# Altium PCB QCopterCAM__Pcb.PcbDoc (part 1 of 2)
Units mil, origin at the board's own origin, x right, y up, seen from the top; angles counter-clockwise.
Board outline 2750 x 1310 mil, 2 copper layers (Top Layer, Bottom Layer); 64 components, 104 nets, 338 pads, 113 vias.
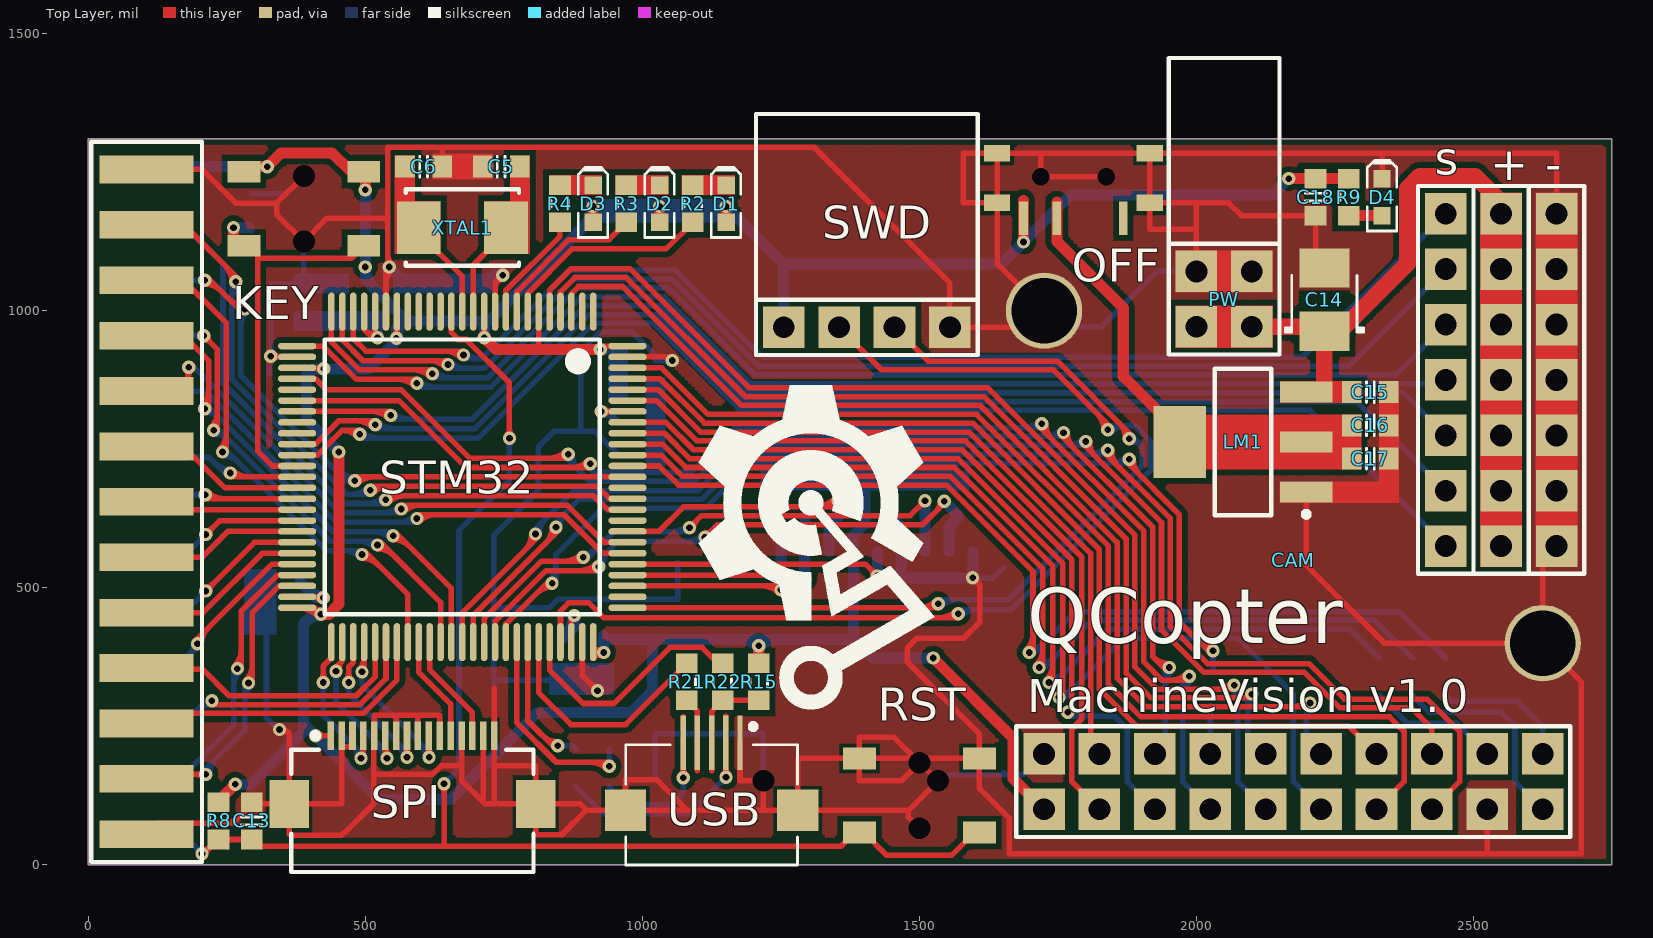
[diagram p0: Top Layer view]
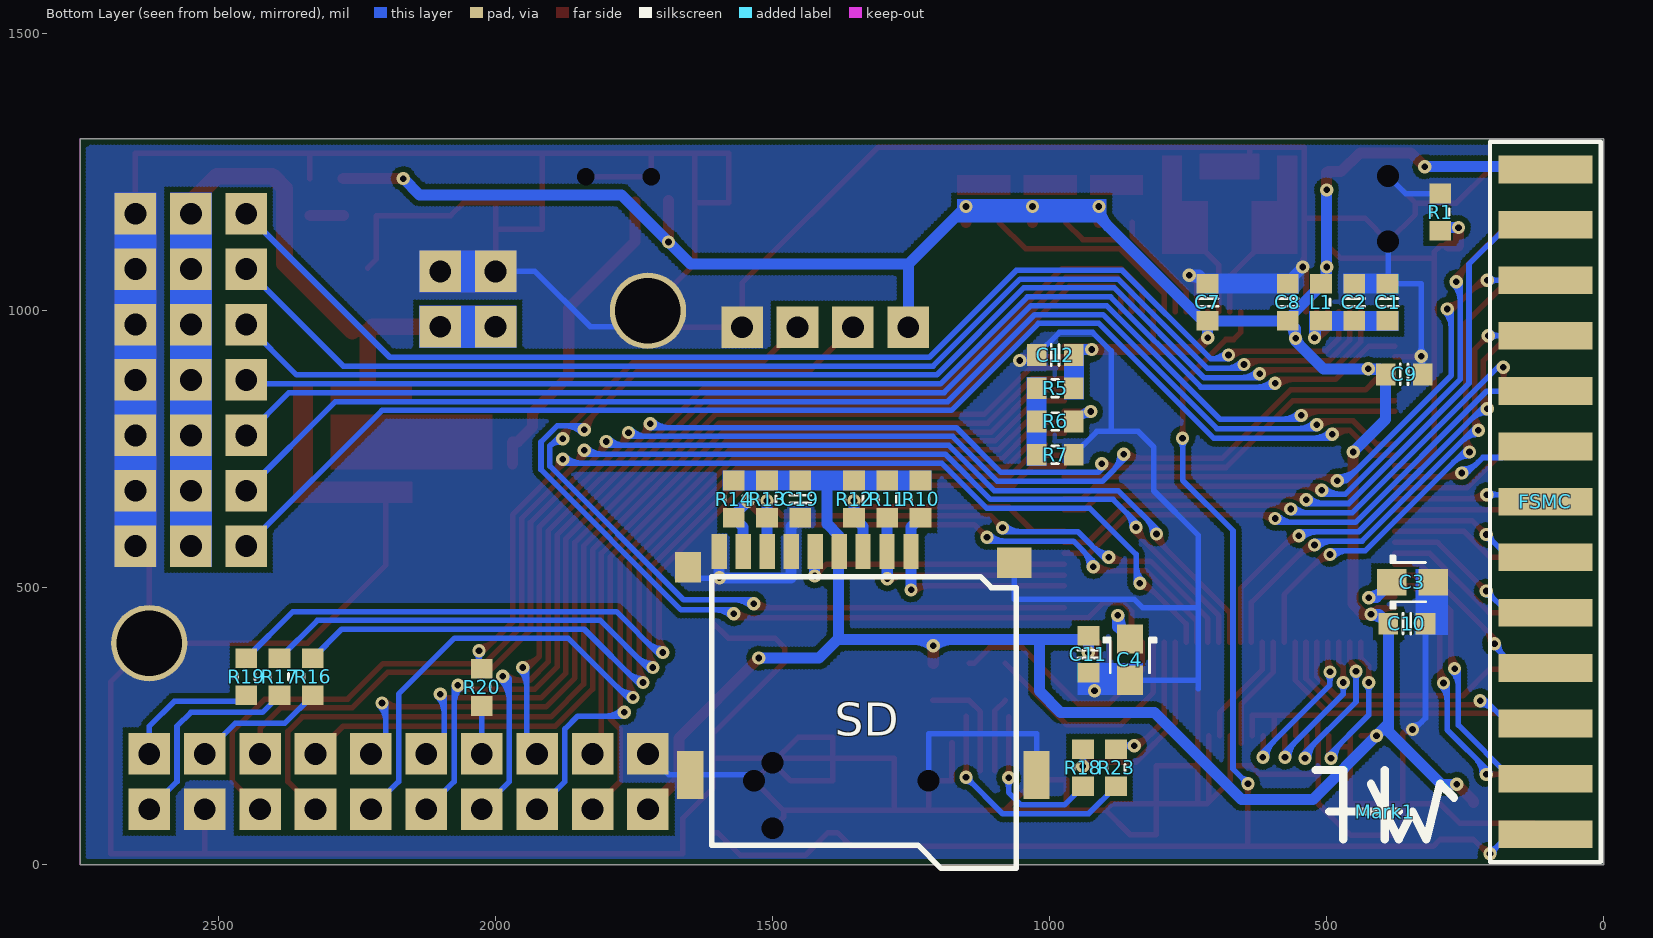
[diagram p1: Bottom Layer view, seen from below]

## Layer stack, top to bottom
Top Layer: signal copper 1.4
Dielectric: dielectric 12.6, FR-4, Dk 4.8
Bottom Layer: signal copper 1.4

## Board outline
0,1310 2750,1310 2750,0 0,0

## Design rules (kind name [scope] priority, off if disabled: settings)
Clearance Polygon [InPolygon] p1: gap=10
Clearance [All] p2: gap=6
ComponentClearance [All] p1: gap=0 collisioncheckmode=3 verticalgap=0 showdistances=FALSE
DiffPairsRouting DiffPair_DiffPairsRouting [InDifferentialPair ('USB')] p1: maxlimit=10 minlimit=10 mostfreqgap=10 maxuncoupledlength=500
DiffPairsRouting [All] p2: maxlimit=10 minlimit=10 mostfreqgap=10 maxuncoupledlength=500
HoleSize [All] p1: absolutevalues=TRUE maxlimit=150 minlimit=1 maxpercent=80.000 minpercent=20.000
HoleToHoleClearance [All] p1: gap=0 allowstackedmicrovias=TRUE
MatchedLengths DiffPair_MatchedLengths [InDifferentialPair ('USB')] p1: tolerance=1000 checknetsindiffpair=TRUE checkdiffpairvsdiffpair=TRUE checkothers=TRUE
MinimumSolderMaskSliver [All] p1: minsoldermaskwidth=0
PlaneConnect [All] p1: planeconnectstyle=Direct reliefexpansion=20 reliefentries=4 reliefconductorwidth=10 reliefairgap=10
PolygonConnect [All] p1: connectstyle=Direct reliefconductorwidth=10 reliefentries=4 polygonreliefangle="90 Angle" airgapwidth=10
RoutingVias [All] p1: holewidth=12 width=24 viastyle="Through Hole" minholewidth=12 minwidth=20 maxholewidth=28 maxwidth=50
SilkToSilkClearance [All] p1: silktosilkclearance=2
SilkToSolderMaskClearance SilkscreenOverComponentPads [IsPad] p1: minsilkscreentomaskgap=2 clearancetoexposedcopper=TRUE
SolderMaskExpansion [All] p1: expansion=0
Width DiffPair_Width [InDifferentialPair('USB')] p1: maxlimit=10 minlimit=10 preferedwidth=10
Width [All] p2: maxlimit=30 minlimit=6 preferedwidth=10
20 further rules are at their usual default settings.

## Classes and differential pairs
component class KEY: KEY R1
component class LCD: FSMC
component class LED: D1 D2 D3 JP3 JP4 JP5 JP6 LED_1 LED_2 LED_B LED_G LED_R LED_W R2 R3 R4
component class POWER: C14 C15 C16 C17 C18 D4 LED LM1 OFF "Power 5V" PW R9
component class PWM: + - PWM_G PWM_S PWM_V S s
component class QCopterCAM_MAIN_Sch: Mark1
component class SD: C19 R10 R11 R12 R13 R14 SD
component class STM32F407VE: C1 C2 C3 C4 C5 C6 C7 C8 C9 C10 C11 C12 C13 L1 R5 R6 R7 R8 RST STM32 XTAL1
component class SWD: SWD
component class USB: R15 R18 R21 R22 R23 USB
component class CAMERA: CAM R16 R17 R19 R20 SPI

## Components (designator, comment, footprint, x,y, rotation, side; value= is the part's Value field where it differs from the comment)
+ "HDR1X7_180_2.54" HDR1X7_180_2.54 2550,1175 r270 top
- "HDR1X7_180_2.54" HDR1X7_180_2.54 2650,1175 r270 top
C1 "Cap_0603" CAP_0603 390,1015 r90 bottom locked
C2 "Cap_0603" CAP_0603 450,1015 r90 bottom locked
C3 "Cap_Tan_0805" CAP_TAN_P0805 345,510 r180 bottom locked
C4 "Cap_Tan_0805" CAP_TAN_P0805 855,370 r270 bottom locked
C5 "Cap_0603" CAP_0603 745,1260 r0 top
C6 "Cap_0603" CAP_0603 605,1260 r180 top
C7 "Cap_0603" CAP_0603 715,1015 r270 bottom locked
C8 "Cap_0603" CAP_0603 570,1015 r270 bottom locked
C9 "Cap_0603" CAP_0603 360,885 r0 bottom locked
C10 "Cap_0603" CAP_0603 355,435 r0 bottom locked
C11 "Cap_0603" CAP_0603 930,380 r90 bottom locked
C12 "Cap_0603" CAP_0603 990,920 r180 bottom locked
C13 "Cap_0603" CAP_0603 295,79 r90 top
C14 "Cap_Tan_1210" CAP_TAN_B1210 2231,1020 r90 top
C15 "Cap_0603" CAP_0603 2314,853 r180 top
C16 "Cap_0603" CAP_0603 2314,793 r180 top
C17 "Cap_0603" CAP_0603 2314,733 r180 top
C18 "Cap_0603" CAP_0603 2215,1205 r90 top
C19 "Cap_0603" CAP_0603 1450,660 r90 bottom
CAM "Camera" CAMERA 1725,100 r0 top locked
D1 "LED_0603_RED" LED_0603_RED 1151,1193 r90 top
D2 "LED_0603_GREEN" LED_0603_GREEN 1031,1193 r90 top
D3 "LED_0603_BLUE" LED_0603_BLUE 911,1193 r90 top
D4 "LED_0603_BLUE" LED_0603_BLUE 2335,1205 r90 top
FSMC "HDR2X13_180FTB_2.54" HDR2X13_180FTB_2.54 105,1255 r270 bottom locked
KEY "SW-PB_1" BT_90_T 389,1184 r270 top locked
L1 "Ind_0603" IND_0603 510,1015 r270 bottom locked
LM1 "LM1117" SOT223 2084,763 r180 top
Mark1 "Mark" HW_Mark 395,96.02 r180 bottom
OFF "SW-SPDT" SW_T 1778,1242 r180 top (schematic designator S3)
PW "HDR2X2_90_2.54" HDR2X2_90_2.54 2000,971 r0 top
R1 "Res_0603" RES_0603 295,1178 r270 bottom
R2 "Res_0603" RES_0603 1091,1193 r90 top
R3 "Res_0603" RES_0603 971,1193 r90 top
R4 "Res_0603" RES_0603 851,1193 r90 top
R5 "Res_0603" RES_0603 990,860 r180 bottom locked
R6 "Res_0603" RES_0603 990,800 r0 bottom
R7 "Res_0603" RES_0603 990,740 r180 bottom
R8 "Res_0603" RES_0603 235,79 r270 top
R9 "Res_0603" RES_0603 2275,1205 r90 top
R10 "Res_0603" RES_0603 1233,660 r270 bottom
R11 "Res_0603" RES_0603 1293,660 r270 bottom
R12 "Res_0603" RES_0603 1353,660 r270 bottom
R13 "Res_0603" RES_0603 1510,660 r270 bottom
R14 "Res_0603" RES_0603 1570,660 r270 bottom
R15 "Res_0603" RES_0603 1210,330 r90 top
R16 "Res_0603" RES_0603 2330,339.25 r90 bottom
R17 "Res_0603" RES_0603 2390,339.25 r270 bottom
R18 "Res_0603" RES_0603 940,175 r90 bottom
R19 "Res_0603" RES_0603 2450,339.25 r90 bottom
R20 "Res_0603" RES_0603 2025,320 r90 bottom
R21 "Res_0603" RES_0603 1080,330 r90 top
R22 "Res_0603" RES_0603 1145,330 r90 top
R23 "Res_0603" RES_0603 880,175 r90 bottom
RST "SW-PB_1" BT_90_T 1500,125 r90 top
s "HDR1X7_180_2.54" HDR1X7_180_2.54 2450,1175 r270 top
SD "SD_Card_TF" SD_Card_TF 1250,565 r270 bottom locked
SPI "FFC_0.5_16" FFC_0.5_16 585,169 r0 top locked (schematic designator FFC16)
STM32 "STM32F407V" STM32F_100 675,700 r270 top locked (schematic designator STM1)
SWD "HDR1X4_90F_2.54" HDR1X4_90F_2.54 1255,970 r0 top
USB "USB_Micro" USB_MICRO_B 1125,220 r270 top locked
XTAL1 "XTAL_5032" XTAL_5032 675,1150 r0 top

## Footprints (in the part's own frame and the unit in brackets; to place one, negate y for a bottom-side part, rotate by r counter-clockwise, add the part's x,y. Pads: shape width x height; smd on the part's side, far side on the other; paste and mask are expansions set on the pad)
BT_90_T [mm]
  round 0.254 hole 1: 0(-1.5,0) 0(1.5,0)
  rect 1x1.5 smd: 1(-1.7,2.75) 1(-1.7,-2.75) 2(1.7,2.75) 2(1.7,-2.75)
  body extent -3.3,-2.3 0.25,2.3, height 1.42
CAMERA [mm] "Connector; Header; 2x2 Position"
  round 3.5 hole 3: 0(0,22.86) 0(22.86,7.62)
  rect 1.905x1.905 hole 1: 1(0,0) 2(0,2.54) 3(2.54,0) 4(2.54,2.54) 5(5.08,0) 6(5.08,2.54) 7(7.62,0) 8(7.62,2.54) 9(10.16,0) 10(10.16,2.54) 11(12.7,0) 12(12.7,2.54) 13(15.24,0) 14(15.24,2.54) 15(17.78,0) 16(17.78,2.54) 17(20.32,0) 18(20.32,2.54) 19(22.86,0) 20(22.86,2.54)
  silkscreen extent -1.27,-1.27 24.13,3.81, body extent -1.39,-1.23 24.26,3.77, height 8.5
CAP_0603 [mm] "Chip Capacitor, Body 1.6x0.8mm, 0603, IPC Medium Density"
  rect 0.9x1 smd: 1(-0.85,0) 2(0.85,0)
  Top Layer pour cut-out: -0.4,0.6 0.4,0.6 0.4,-0.6 -0.4,-0.6
  silkscreen extent -0.18,-0.48 0.18,0.48, body extent -0.85,-0.45 0.85,0.45, height 0.89
CAP_TAN_B1210 [mm] "Molded body capacitor, Body 3.5x2.8mm, 1210, IPC Nominal settings"
  rect 1.8x2.3 smd: 1(-1.45,0) 2(1.45,0)
  Top Layer pour cut-out: -0.508,1.27 0.508,1.27 0.508,-1.27 -0.508,-1.27
  silkscreen extent -1.5,-1.8 1.1,1.8, body extent -1.75,-1.4 1.75,1.4, height 2.1
CAP_TAN_P0805 [mm] "Molded body capacitor, Body 2.0x1.2mm, 0805, IPC Medium Density"
  rect 1.35x1.2 smd: 1(-0.95,0) 2(0.95,0)
  Top Layer pour cut-out: -0.4,0.8 0.4,0.8 0.4,-0.8 -0.4,-0.8
  silkscreen extent -1,-1.2 0.6,1.2, body extent -1.02,-0.67 1.03,0.68, height 1.5
FFC_0.5_16 [mm] "Connector; FH12 Series; 16 Position; 0.5mm Spaced Bottom Contact"
  rect 1.8x2.2 smd: 0(-5.65,-1.498) 0(5.65,-1.498)
  rect 0.3x1.3 smd: 1(-3.75,1.625) 2(-3.25,1.625) 3(-2.75,1.625) 4(-2.25,1.625) 5(-1.75,1.625) 6(-1.25,1.625) 7(-0.75,1.625) 8(-0.25,1.625) 9(0.25,1.625) 10(0.75,1.625) 11(1.25,1.625) 12(1.75,1.625) 13(2.25,1.625) 14(2.75,1.625) 15(3.25,1.625) 16(3.75,1.625)
  silkscreen extent -5.55,-4.62 5.55,1.75, body extent -6.75,-3.93 6.75,1.41, height 2.08
HDR1X4_90F_2.54 [mm] "Connector; Header; 2 Position"
  rect 1.905x1.905 hole 1: 1(0,0) 2(2.54,0) 3(5.08,0) 4(7.62,0)
  silkscreen extent -1.27,-1.27 8.89,9.78, body extent -1.39,-0.16 9.02,9.9, height 2.52
HDR1X7_180_2.54 [mm] "Connector; Header; 6 Position"
  rect 1.905x1.905 hole 1: 1(0,0) 2(2.54,0) 3(5.08,0) 4(7.62,0) 5(10.16,0) 6(12.7,0) 7(15.24,0)
  silkscreen extent -1.27,-1.27 16.51,1.27, body extent -1.27,-1.27 16.51,1.27, height 7.58
HDR2X2_90_2.54 [mm] "Connector; Header; 2x2 Position"
  rect 1.905x1.905 hole 1: 1(0,0) 2(0,2.54) 3(2.54,0) 4(2.54,2.54)
  silkscreen extent -1.27,-1.27 3.81,12.32, body extent -1.27,-0.31 3.81,12.57, height 5.04
HDR2X13_180FTB_2.54 [mil] "Connector; Header; 2x2 Position"
  rect 50x170 smd: 1(0,0) 3(100,0) 5(200,0) 7(300,0) 9(400,0) 11(500,0) 13(600,0) 15(700,0) 17(800,0) 19(900,0) 21(1000,0) 23(1100,0) 25(1200,0)
  rect 50x170 smd far side: 2(0,0) 4(100,0) 6(200,0) 8(300,0) 10(400,0) 12(500,0) 14(600,0) 16(700,0) 18(800,0) 20(900,0) 22(1000,0) 24(1100,0) 26(1200,0)
  silkscreen extent -50,-100 1250,100, body extent -55,-45 1255,416, height 98
HW_Mark [mil]
  silkscreen extent -125,-50 125,75
IND_0603 [mm] "Chip bead, Body 1.6x0.8mm, 0603, IPC Medium Density"
  rect 0.9x1 smd: 1(-0.85,0) 2(0.85,0)
  Top Layer pour cut-out: -0.4,0.6 0.4,0.6 0.4,-0.6 -0.4,-0.6
  silkscreen extent -0.15,-0.41 0.15,0.41, body extent -0.8,-0.4 0.8,0.4, height 0.79
LED_0603_BLUE [mm] "Chip Capacitor, 2-Leads, Body 1.6x0.8mm, IPC Medium Density"
  rect 0.8x0.8 smd: 1(-0.85,0) 2(0.85,0)
  Top Layer pour cut-out: -0.5,0.5 0.5,0.5 0.5,-0.5 -0.5,-0.5
  silkscreen extent -1.55,-0.67 1.68,0.67, body extent -0.8,-0.4 0.8,0.4, height 0.75
LED_0603_GREEN [mm] "Chip Capacitor, 2-Leads, Body 1.6x0.8mm, IPC Medium Density"
  rect 0.8x0.8 smd: 1(-0.85,0) 2(0.85,0)
  Top Layer pour cut-out: -0.5,0.5 0.5,0.5 0.5,-0.5 -0.5,-0.5
  silkscreen extent -1.55,-0.67 1.68,0.67, body extent -0.8,-0.4 0.8,0.4, height 0.75
LED_0603_RED [mm] "Chip Capacitor, 2-Leads, Body 1.6x0.8mm, IPC Medium Density"
  rect 0.8x0.8 smd: 1(-0.85,0) 2(0.85,0)
  Top Layer pour cut-out: -0.5,0.5 0.5,0.5 0.5,-0.5 -0.5,-0.5
  silkscreen extent -1.55,-0.67 1.68,0.67, body extent -0.8,-0.4 0.8,0.4, height 0.75
RES_0603 [mm]
  rect 0.9x1 smd: 1(-0.85,0) 2(0.85,0)
  Top Layer pour cut-out: -0.4,0.6 0.4,0.6 0.4,-0.6 -0.4,-0.6
  silkscreen extent -0.15,-0.41 0.15,0.41, body extent -0.87,-0.47 0.88,0.48, height 0.54
SD_Card_TF [mm]
  rect 1.6x0.7 smd: 1(0,0) 2(0,-1.1) 3(0,-2.2) 4(0,-3.3) 5(0,-4.4) 6(0,-5.5) 7(0,-6.6) 8(0,-7.7) 9(0,-8.8)
  rect 1.4x1.6 smd: 6(0.5,4.727)
  rect 1.4x1.2 smd: 6(0.703,-10.225)
  rect 2.2x1.2 smd: 6(10.227,-10.127) 6(10.227,5.754)
  round 0.762 hole 1: 6(10.5,-7.2) 6(10.5,0.8)
  silkscreen extent 1.14,-9.14 14.52,4.83, body extent -0.73,-10.31 14.48,5.99, height 2
SOT223 [mm] "SOT223, 4-Leads, Body 6.7x7.3mm (max), Pitch 2.29mm, IPC Medium Density"
  rect 2.4x0.95 smd: 1(-2.9,2.29) 2(-2.9,0) 3(-2.9,-2.29)
  rect 2.4x3.3 smd: 2(2.9,0)
  silkscreen extent -3.03,-3.35 1.3,3.44, body extent -3.65,-3.35 3.65,3.35, height 1.8
STM32F_100 [mm] "TSQFP, 100-Leads, Body 16.2x16.2mm (max), Pitch 0.50mm, IPC Medium Density"
  oval 1.75x0.3 smd: 1(-7.575,6) 2(-7.575,5.5) 3(-7.575,5) 4(-7.575,4.5) 5(-7.575,4) 6(-7.575,3.5) 7(-7.575,3) 8(-7.575,2.5) 9(-7.575,2) 10(-7.575,1.5) 11(-7.575,1) 12(-7.575,0.5) 13(-7.575,0) 14(-7.575,-0.5) 15(-7.575,-1) 16(-7.575,-1.5) 17(-7.575,-2) 18(-7.575,-2.5) 19(-7.575,-3) 20(-7.575,-3.5) 21(-7.575,-4) 22(-7.575,-4.5) 23(-7.575,-5) 24(-7.575,-5.5) 25(-7.575,-6) 51(7.575,-6) 52(7.575,-5.5) 53(7.575,-5) 54(7.575,-4.5) 55(7.575,-4) 56(7.575,-3.5) 57(7.575,-3) 58(7.575,-2.5) 59(7.575,-2) 60(7.575,-1.5) 61(7.575,-1) 62(7.575,-0.5) 63(7.575,0) 64(7.575,0.5) 65(7.575,1) 66(7.575,1.5) 67(7.575,2) 68(7.575,2.5) 69(7.575,3) 70(7.575,3.5) 71(7.575,4) 72(7.575,4.5) 73(7.575,5) 74(7.575,5.5) 75(7.575,6)
  oval 0.3x1.75 smd: 26(-6,-7.575) 27(-5.5,-7.575) 28(-5,-7.575) 29(-4.5,-7.575) 30(-4,-7.575) 31(-3.5,-7.575) 32(-3,-7.575) 33(-2.5,-7.575) 34(-2,-7.575) 35(-1.5,-7.575) 36(-1,-7.575) 37(-0.5,-7.575) 38(0,-7.575) 39(0.5,-7.575) 40(1,-7.575) 41(1.5,-7.575) 42(2,-7.575) 43(2.5,-7.575) 44(3,-7.575) 45(3.5,-7.575) 46(4,-7.575) 47(4.5,-7.575) 48(5,-7.575) 49(5.5,-7.575) 50(6,-7.575) 76(6,7.575) 77(5.5,7.575) 78(5,7.575) 79(4.5,7.575) 80(4,7.575) 81(3.5,7.575) 82(3,7.575) 83(2.5,7.575) 84(2,7.575) 85(1.5,7.575) 86(1,7.575) 87(0.5,7.575) 88(0,7.575) 89(-0.5,7.575) 90(-1,7.575) 91(-1.5,7.575) 92(-2,7.575) 93(-2.5,7.575) 94(-3,7.575) 95(-3.5,7.575) 96(-4,7.575) 97(-4.5,7.575) 98(-5,7.575) 99(-5.5,7.575) 100(-6,7.575)
  silkscreen extent -6.3,-6.3 6.3,6.3, body extent -8,-8 8,8, height 1.2
SW_T [mm]
  rect 1.2x0.762 smd: 0(-3.5,-1.073) 0(-3.5,1.2) 0(3.5,-1.073) 0(3.5,1.2)
  round 0.254 hole 0.8: 0(-1.5,0) 0(1.5,0)
  rect 0.4x1.524 smd: 1(2.286,1.905) 2(0.762,1.905) 3(-2.286,1.905)
USB_MICRO_B [mm] "Connector; USB2.0, Type A, SM; 5 Position; Right Angle"
  rect 2.5x0.25 smd: 1(0,-1.3) 2(0,-0.65) 3(0,0) 4(0,0.65) 5(0,1.3)
  rect 1.9x1.9 smd: ""(3.095,3.95) ""(3.095,-3.95)
  silkscreen extent -0.87,-3.94 5.6,3.94, body extent 0.24,-4 5.67,3.98, height 2.71
XTAL_5032 [mm] "Molded Capacitor, 2-Leads, Body 5.0x3.2mm, IPC Medium Density"
  rect 2x2.4 smd: 1(-2,0) 2(2,0)
  silkscreen extent -2.6,-1.75 2.6,1.75, body extent -2.5,-1.6 2.5,1.6, height 1

## Part data
+ - FSMC PW s SWD: "Header"
C1 C2 C3 C4 C5 C6 C7 C8 C9 C10 C11 C12 C13 C14 C15 C16 C17 C18 C19: "Capacitor"
CAM: "Module"
D1 D2 D3 D4: "LED"
KEY RST: "Switch"
L1: "Inductor"
LM1: "Power"
Mark1: library part HW
OFF: library part SW-SPDT_1, "SPDT Subminiature Toggle Switch, Right Angle Mounting, Vertical Actuation"
R1 R2 R3 R4 R5 R6 R7 R8 R9 R10 R11 R12 R13 R14 R15 R16 R17 R18 R19 R20 R21 R22 R23: "Resistor"
SD: "SD"
SPI: "FFC"
STM32: "MCU"
USB: "USB"
XTAL1: "Crystal Oscillator"

## Via types
v1: diameter 24, hole 12, Top Layer to Bottom Layer, 113 vias

## Nets (pads, with @x,y where several pads share a name; then routed paths per layer and width w, separated by ;. In a path a pad name is that pad's centre, name@x,y a point inside that pad or via, vN(x,y) a via of type N, cw(c..) or ccw(c..) an arc to the next point about the centre after c; other vN are vias at no path point)
3V3: C7.2 C8.2 C9.2 C10.2 C11.2 C12.2 C18.2 C19.2 CAM.1 D1.1 D2.1 D3.1 FSMC.1 KEY.1 L1.1 OFF.1 R5.2 R8.1 R9.2 R10.1 R11.1 R12.1 R13.1 R14.1 R15.2 SD.4 SPI.1 STM32.6 STM32.11 STM32.19 STM32.28 STM32.50 STM32.75 STM32.100 SWD.1 | length 7424.2
  Top Layer w10: STM32.28@376.77,896.85 423.15,896.85 v1(425,895) ; STM32.50@399.79,463.78 cw(c399.79,433.13) v1@422.19,454.05 ; STM32.28@403.63,896.85 cw(c403.63,873.63) v1@420.05,890.05 ; v1(410,233) SPI.1@437.36,232.98 ; 412.57,896.85 ccw(c412.57,907.43) v1@420.05,899.95 ; v1@413,452.07 ccw(c396.68,452.24) STM32.50@408.22,463.78 ; v1@414.88,447.22 ccw(c376.77,411.64) 376.77,463.78 STM32.50@408.22,463.78 ; v1@414.95,228.05 cw(c426.84,216.16) 426.84,232.98 ; v1@414.95,237.95 ccw(c426.96,249.96) 426.96,232.98 ; v1@419.93,459 cw(c419.76,475.32) STM32.50@408.22,463.78 ; v1(420,452) STM32.50@408.22,463.78 ; v1@551.05,954.95 ccw(c536.95,969.05) STM32.19@556.89,969.05 ; v1@556.89,951.89 STM32.19@556.89,998.23 ; STM32.19@556.89,964.75 ccw(c570.75,964.75) v1@560.95,954.95 ; v1@709.42,956.32 ccw(c697.47,968.27) 714.37,968.27 ccw(c731.27,968.27) v1@719.32,956.32 ; v1(714.37,951.37) STM32.11@714.37,998.23 ; 812.8,930 STM32.6@812.8,998.23 ; STM32.75@911.22,401.77 911.22,386.78 STM32.75@915,383 ; v1(924,930) 930.22,936.22 STM32.100@973.23,936.22
  Top Layer w20: R8.1@235,112.46 235,115 v1(265,145) ; KEY.1@285,1260 v1(323,1260) 348,1285 440,1285 474.07,1250.93 KEY.1@497.27,1250.93 KEY.1@499,1249.2 ; v1(420,452) 434,452 452.32,470.32 v1@452.32,744.68 ; v1(500,1218) KEY.1@500,1249.2 ; v1(714.37,951.37) 735.74,930 v1(924,930) ; D3.1@911,1159.54 v1(911,1188) ; STM32.75@915,383 v1(930,383) ; D2.1@1031,1159.54 v1(1031,1188) ; D1.1@1151,1159.54 v1(1151,1188) ; R15.2@1210,363.46 v1(1210,395) ; v1(1525,373) 1669,229 1669,156 CAM.1@1725,100 ; v1(1688,1124) OFF.1@1688,1167 1688,1199 ; v1(2166.54,1238.46) C18.2@2215,1238.46 R9.2@2275,1238.46
  Bottom Layer w10: C8.2@570,981.54 570,985.46 C8.2@570,988.46
  Bottom Layer w20: FSMC.1@110,1260 v1(323,1260) ; v1(265,145) 292.93,145 388.46,240.54 C10.2@388.46,435 405.46,452 v1(420,452) ; 388.46,254.54 v1(410,233) 525,118 654,118 811,275 980,275 1018.46,313.46 1018.46,406.46 ; C10.2@391.77,438.31 cw(c420,410.08) v1@420,450 ; v1@424.46,893.08 ccw(c415.84,862.62) C9.2@393.46,885 ; v1(452,745) 393.46,803.54 C9.2@393.46,885 ; v1(500,1218) v1(500,1079) 500,1058.46 L1.1@510,1048.46 cw(c532.01,1070.47) v1@501.93,1078.49 ; L1.1@510,1045.46 C8.2@570,985.46 ; 549.33,938.74 ccw(c538.07,950) v1@554,950 ; v1@558,950.11 cw(c599.13,952.4) C8.2@570,981.54 ; v1@715,952 C7.2@715,981.54 ; 894.15,1152.15 ccw(c858.3,1188) v1@909,1188 ; v1(924,930) 946.54,930 C12.2@956.54,920 ; v1(930,383) C11.2@930,413.46 ; C11.2@930,406.46 1018.46,406.46 ; 1177.49,406.46 cw(c1177.49,362.49) v1@1208.59,393.59 ; v1@1211.41,393.59 cw(c1242.51,362.49) 1242.51,406.46 ; SWD.1@1255,970 1255,1084 ; R12.1@1353,693.46 1402,693.46 1402,615.51 1379.92,593.43 SD.4@1379.92,565 ; SD.4@1381,564 1381,407.93 1415.93,373 v1(1525,373) ; 1382.46,406.46 1018.46,406.46 ; v1(2166.54,1238.46) 2137.07,1209 1773,1209 v1(1688,1124) 1648,1084 1255,1084 ; C9.2@393.46,885 403.46,895 v1(425,895) 505.6,895 556,945.4 556,967.54 C8.2@570,981.54 ; C8.2@570,981.54 C7.2@715,981.54 ; C7.2@715,981.54 723.54,981.54 911,1169 v1(911,1188) v1(1031,1188) v1(1151,1188) 1255,1084
  other v1: 556,950
5V: +.1 +.2 +.3 +.4 +.5 +.6 +.7 C14.1 C15.2 LM1.3 PW.1 PW.3 | length 814.3
  Top Layer w10: LM1.3@2168.84,853.16 LM1.3@2198.17,853.16
  Top Layer w20: C14.1@2231,962.91 C14.1@2258.91,962.91 ; +.1@2550,1175 +.1@2550,1196
  Top Layer w30: PW.3@2100,971 C14.1@2222.91,971 ; LM1.3@2231,856 C14.1@2231,962.91 ; C14.1@2258.91,962.91 2381,1085 2381,1221 2403,1243 2503,1243 +.1@2550,1196
BOOT0: R6.1 STM32.94 | length 177.4
  Top Layer w10: v1@926.11,818.11 STM32.94@973.23,818.11 ; v1@930.95,813.05 cw(c943.17,800.83) STM32.94@943.17,818.11 ; v1@930.95,822.95 ccw(c942.63,834.63) STM32.94@942.63,818.11
  Bottom Layer w10: v1@925.76,820.99 cw(c927.34,801.4) R6.1@941.24,815.3 ; v1(926,818) 938.54,818 ; v1@926.56,811.02 cw(c929.63,773.1) R6.1@956.54,800 938.54,818 ; v1@931.96,814.33 cw(c938.54,810.28) 938.54,818 ; v1@931.96,821.67 ccw(c938.54,825.72) 938.54,818
CAM_CS: SPI.4 STM32.51 | length 383.3
  Top Layer w10: v1@419.05,333.95 ccw(c407.1,345.9) 424,345.9 ccw(c440.9,345.9) v1@428.95,333.95 ; v1(424,329) 424,358.53 437.47,372 438,372 438.78,372.78 STM32.51@438.78,401.77 ; v1@496.42,190.42 SPI.4@496.42,232.98
  Bottom Layer w10: v1@419.05,324.05 cw(c407.1,312.1) 424,312.1 cw(c440.9,312.1) v1@428.95,324.05 ; v1(424,329) 424,270 v1@497.5,196.5 ; 472.98,221.02 cw(c443.96,192) v1@485,192 ; 490.05,203.95 cw(c478.1,192) v1@495,192
  other v1: 492,192
CAM_D0: CAM.16 STM32.63 | length 2448.6
  Top Layer w10: STM32.63@675,401.77 675,455 v1@811,591 ; 787.98,567.98 ccw(c758.96,597) v1@800,597 ; 805.05,585.05 ccw(c793.1,597) v1@810,597 ; v1@1795.5,759.5 1937,618 1937,423.37 2013.37,347 2195,347 2259,283 2388,283 2425,246 CAM.16@2425,200 ; v1@1807,764 ccw(c1845.63,764) 1818.31,736.69
  Bottom Layer w10: v1@802,601 876.32,675.32 1100.07,675.32 1181.75,757 v1@1800,757 ; v1@814,597 cw(c852.63,597) 825.31,624.31 ; 1766.2,757 ccw(c1766.2,797.8) v1@1795.05,768.95
  other v1: 807,597 1800,764
CAM_D1: CAM.15 STM32.64 | length 2596.8
  Top Layer w10: STM32.64@694.69,401.77 694.69,449.68 v1@849,604 ; 824.98,579.98 ccw(c795.96,609) v1@837,609 ; 842.05,597.05 ccw(c830.1,609) v1@847,609 ; v1@1834.5,743.5 1953,625 1953,430 2020,363 2203,363 2267,299 2416.56,299 2475,240.56 2475,150 CAM.15@2425,100 ; v1@1837,748 ccw(c1853.9,748) 1841.95,736.05 ; v1@1847,748 ccw(c1888.04,748) 1859.02,718.98
  Bottom Layer w10: v1@839,613 885.32,659.32 1106.7,659.32 1188.37,741 v1@1838.88,741 ; v1@851,609 cw(c889.63,609) 862.31,636.31 ; 1806.2,741 ccw(c1806.2,781.8) v1@1835.05,752.95
  other v1: 844,609 1840,748
CAM_D2: CAM.14 STM32.97 | length 1779.6
  Top Layer w10: STM32.97@973.23,877.17 1031.68,877.17 1111.85,797 1596.51,797 1825,568.51 1825,317 1892,250 2275,250 CAM.14@2325,200
CAM_D3: CAM.13 STM32.98 | length 1980.8
  Top Layer w10: STM32.98@973.23,896.85 1034.62,896.85 1118.47,813 1603.14,813 1841,575.14 1841,326 1900,267 2348.56,267 2375,240.56 2375,150 CAM.13@2325,100
CAM_D4: CAM.12 STM32.3 | length 1996.1
  Top Layer w10: STM32.3@871.85,998.23 871.85,1030.99 884.53,1043.68 964.32,1043.68 1179,829 1609.76,829 1857,581.76 1857,337 1909,285 v1@2205,285 ; 2171.2,285 ccw(c2171.2,325.8) v1@2200.05,296.95
  Bottom Layer w10: 2198,258.2 cw(c2238.8,258.2) v1@2209.95,287.05 ; v1@2198,292 2198,227 CAM.12@2225,200
  other v1: 2205,292
CAM_D5: CAM.11 STM32.92 | length 1937.5
  Top Layer w10: STM32.92@973.23,778.74 1039.51,778.74 1085.25,733 1570,733 1759,544 v1@1759,302 ; v1@1747.05,306.95 ccw(c1718.2,335.8) 1759,335.8
  Bottom Layer w10: v1@1752,299 ccw(c1752,315.9) 1763.95,303.95 ; v1@1752,309 ccw(c1752,350.04) 1781.02,321.02 ; v1@1757,297 1869,409 2074,409 2175,308 2175,150 CAM.11@2225,100
  other v1: 1752,302
CAM_D6: CAM.10 STM32.4 | length 1899
  Top Layer w10: STM32.4@852.17,998.23 852.17,1033.94 878.23,1060 970.63,1060 1185.63,845 1616.39,845 1873,588.39 1873,346 1918,301 v1@2095,301
  Bottom Layer w10: 2093,274.2 cw(c2133.8,274.2) v1@2104.95,303.05 ; v1@2093,308 2093,232 CAM.10@2125,200
  other v1: 2100,308
CAM_D7: CAM.9 STM32.5 | length 2052
  Top Layer w10: STM32.5@832.48,998.23 832.48,1036.88 871.6,1076 977.25,1076 1192.25,861 1623.02,861 1889,595.02 1889,357 1929,317 v1@2068,317 ; 2034.2,317 ccw(c2034.2,357.8) v1@2063.05,328.95
  Bottom Layer w10: v1@2063.05,319.05 cw(c2034.2,290.2) 2075,290.2 ; v1@2075,323 2075,150 CAM.9@2125,100
  other v1: 2068,324
CAM_HSYN: CAM.6 STM32.29 | length 2384.5
  Top Layer w10: STM32.29@376.77,877.17 409.83,877.17 430,857 565,857 688,734 v1@864,734 ; 832.2,734 ccw(c832.2,774.8) v1@861.05,745.95 ; v1@1755,776 1921,610 1921,376 v1@1946,351 ; v1@1767,780 ccw(c1805.63,780) 1778.31,752.69 ; 1921.98,375.02 ccw(c1951,404.04) v1@1951,363 ; 1939.05,357.95 ccw(c1951,369.9) v1@1951,353
  Bottom Layer w10: v1@860.5,736.5 905,692 1094.12,692 1175.12,773 v1@1760,773 ; v1@863,741 ccw(c879.9,741) 867.95,729.05 ; v1@873,741 ccw(c914.04,741) 885.02,711.98 ; 1726.2,773 ccw(c1726.2,813.8) v1@1755.05,784.95 ; CAM.6@1925,200 1944,219 v1@1944,357 ; 1944,322.2 cw(c1984.8,322.2) v1@1955.95,351.05
  other v1: 1951,356 866,741 1760,780
CAM_INT: SPI.14 STM32.60 | length 200.8
  Top Layer w10: STM32.60@615.94,401.77 615.94,352.06 693.27,274.73 SPI.14@693.27,232.98
CAM_IO1: R16.2 STM32.91 | length 1765.5
  Top Layer w10: 1007.69,759.06 1036.57,759.06 1078.63,717 1563,717 1741,539 v1@1741,330 ; v1@1729.05,333.95 ccw(c1700.2,362.8) 1741,362.8
  Bottom Layer w10: v1@1734,326 ccw(c1734,342.9) 1745.95,330.95 ; v1@1734,336 ccw(c1734,377.04) 1763.02,348.02 ; v1@1739,324 1840,425 2277.72,425 R16.2@2330,372.72
  other v1: 1734,329
CAM_IO2: R19.2 STM32.89 | length 1849.9
  Top Layer w10: STM32.89@973.23,719.68 1030.32,719.68 1065,685 1549,685 1705,529 v1@1705,382 ; v1@1693.05,387.95 ccw(c1664.2,416.8) 1705,416.8
  Bottom Layer w10: v1@1698,380 ccw(c1698,396.9) 1709.95,384.95 ; v1@1698,390 ccw(c1698,431.04) 1727.02,402.02 ; v1@1703,378 1782,457 2365.72,457 R19.2@2450,372.72
  other v1: 1698,383
CAM_IO3: R17.1 STM32.90 | length 1825
  Top Layer w10: STM32.90@973.23,739.37 1033.63,739.37 1072,701 1556,701 1723,534 v1@1723,356 ; v1@1711.05,360.95 ccw(c1682.2,389.8) 1723,389.8
  Bottom Layer w10: v1@1716,353 ccw(c1716,369.9) 1727.95,357.95 ; v1@1716,363 ccw(c1716,404.04) 1745.02,375.02 ; v1@1721,351 1811,441 2321.72,441 R17.1@2390,372.72
  other v1: 1716,356
CAM_MISO: SPI.8 STM32.53 | length 394.7
  Top Layer w10: v1@465.05,333.95 ccw(c453.1,345.9) 470,345.9 ccw(c486.9,345.9) v1@474.95,333.95 ; v1(470,329) 470,357 478.15,365.15 STM32.53@478.15,401.77 ; v1@570.05,198.95 ccw(c557.72,211.28) SPI.8@575.16,211.28 ; v1(575,194) 575.16,194.16 SPI.8@575.16,232.98 ; SPI.8@575.16,210.52 ccw(c591.52,210.52) v1@579.95,198.95
  Bottom Layer w10: v1@465.05,324.05 cw(c453.1,312.1) 470,312.1 cw(c486.9,312.1) v1@474.95,324.05 ; v1(470,329) 470,308 v1@575,203 ; 556.69,221.31 cw(c529.37,194) v1@568,194
CAM_MOSI: SPI.10 STM32.54 | length 403
  Top Layer w10: v1@489.05,352.95 ccw(c467.84,374.16) STM32.54@497.83,374.16 ; v1(494,348) 497.83,351.83 STM32.54@497.83,401.77 ; v1@610.05,198.95 ccw(c599.24,209.76) SPI.10@614.53,209.76 ; v1@614.53,194.47 SPI.10@614.53,232.98 ; SPI.10@614.53,212.04 ccw(c633.04,212.04) v1@619.95,198.95
  Bottom Layer w10: v1@489.05,343.05 cw(c477.1,331.1) 494,331.1 cw(c510.9,331.1) v1@498.95,343.05 ; v1(494,348) 494,324 v1@620,198 ; 596.69,221.31 cw(c569.37,194) v1@608,194
  other v1: 615,194
CAM_PCLK: CAM.7 STM32.31 | length 2526.7
  Top Layer w10: STM32.31@376.77,837.8 560.85,837.8 681.65,717 v1@906.32,717 ; 872.2,717 ccw(c872.2,757.8) v1@901.05,728.95 ; v1@1716,791 1905,602 1905,366 1938,333 v1@1987,333 ; v1@1718,796 ccw(c1734.9,796) 1722.95,784.05 ; v1@1728,796 ccw(c1769.04,796) 1740.02,766.98 ; 1953.2,333 ccw(c1953.2,373.8) v1@1982.05,344.95
  Bottom Layer w10: v1@901,719 912,708 ; v1@911.42,719.57 ccw(c918.1,714.11) 912,708 ; 1687.2,789 ccw(c1687.2,829.8) v1@1716.05,800.95 ; v1@1721,789 1168.49,789 1087.49,708 912,708 ; 1975,294.13 cw(c2032.87,294.13) v1@1991.95,335.05 ; 1975,318.27 cw(c2008.73,318.27) v1@1984.88,342.12 ; v1@1980,341 1975,336 1975,150 CAM.7@2025,100
  other v1: 1987,340 906,724 1721,796
CAM_RDY: SPI.12 STM32.59 | length 206.7
  Top Layer w10: STM32.59@596.26,401.77 596.26,347.74 653.9,290.1 SPI.12@653.9,218.98
CAM_SCK: SPI.6 STM32.52 | length 405.1
  Top Layer w10: v1(447,349) 447,357 STM32.52@458.46,368.46 ; v1@453.76,350.83 cw(c471.35,355.58) STM32.52@458.46,368.46 ; STM32.52@458.46,401.77 STM32.52@458.46,368.46 ; SPI.6@535.79,216.66 ccw(c563.66,216.66) v1@543.95,196.95 ; SPI.6@535.79,232.98 535.79,195.21 v1(539,192)
  Bottom Layer w10: v1@442.05,344.05 cw(c430.1,332.1) 447,332.1 cw(c463.9,332.1) v1@451.95,344.05 ; v1(447,349) 447,294 v1@544,197 ; 519.98,221.02 cw(c490.96,192) v1@532,192 ; 537.05,203.95 cw(c525.1,192) v1@542,192
CAM_SCL: CAM.3 STM32.95 | length 1420.2
  Top Layer w10: STM32.95@973.23,837.8 1025.71,837.8 1098.51,765 1583.25,765 1793,555.25 1793,263 1775,245 1775,150 CAM.3@1825,100
CAM_SDA: CAM.4 STM32.96 | length 1326.7
  Top Layer w10: STM32.96@973.23,857.48 1028.66,857.48 1105.14,781 1589.88,781 1809,561.88 1809,216 CAM.4@1825,200
CAM_VSYN: CAM.5 STM32.93 | length 1493.3
  Top Layer w10: STM32.93@973.23,798.43 1042.46,798.43 1091.88,749 1576.63,749 1775,550.63 v1@1775,276
  Bottom Layer w10: v1@1768,268 1852,268 1875,245 1875,150 CAM.5@1925,100 ; v1@1772.95,279.95 ccw(c1801.8,308.8) 1801.8,268
  other v1: 1768,275
CAM_XCLK: R20.2 STM32.67 | length 1942.1
  Top Layer w10: STM32.67@753.74,401.77 753.74,434.54 v1@832.6,513.4 ; 808.32,489.12 cw(c837,460.45) v1@837,501 ; v1@1873.5,727.5 1969,632 1969,438 v1@2027,380 ; v1@1876,732 ccw(c1892.9,732) 1880.95,720.05 ; v1@1886,732 ccw(c1927.04,732) 1898.02,702.98 ; 2002.69,404.31 ccw(c2030,431.63) v1@2030,393
  Bottom Layer w10: v1@832.05,512.95 ccw(c803.2,541.8) 844,541.8 ; v1@844,507 844,560 927.32,643.32 1113.32,643.32 1195,725 v1@1878.5,725 ; 1845.2,725 ccw(c1845.2,765.8) v1@1874.05,736.95 ; v1@2025.05,381.05 cw(c2013.1,369.1) 2030,369.1 cw(c2046.9,369.1) v1@2034.95,381.05 ; R20.2@2030,353.46 v1(2030,386)
  other v1: 837,508 1879,732